# Allegro board pc065a_toplevel_49_modvia.brd
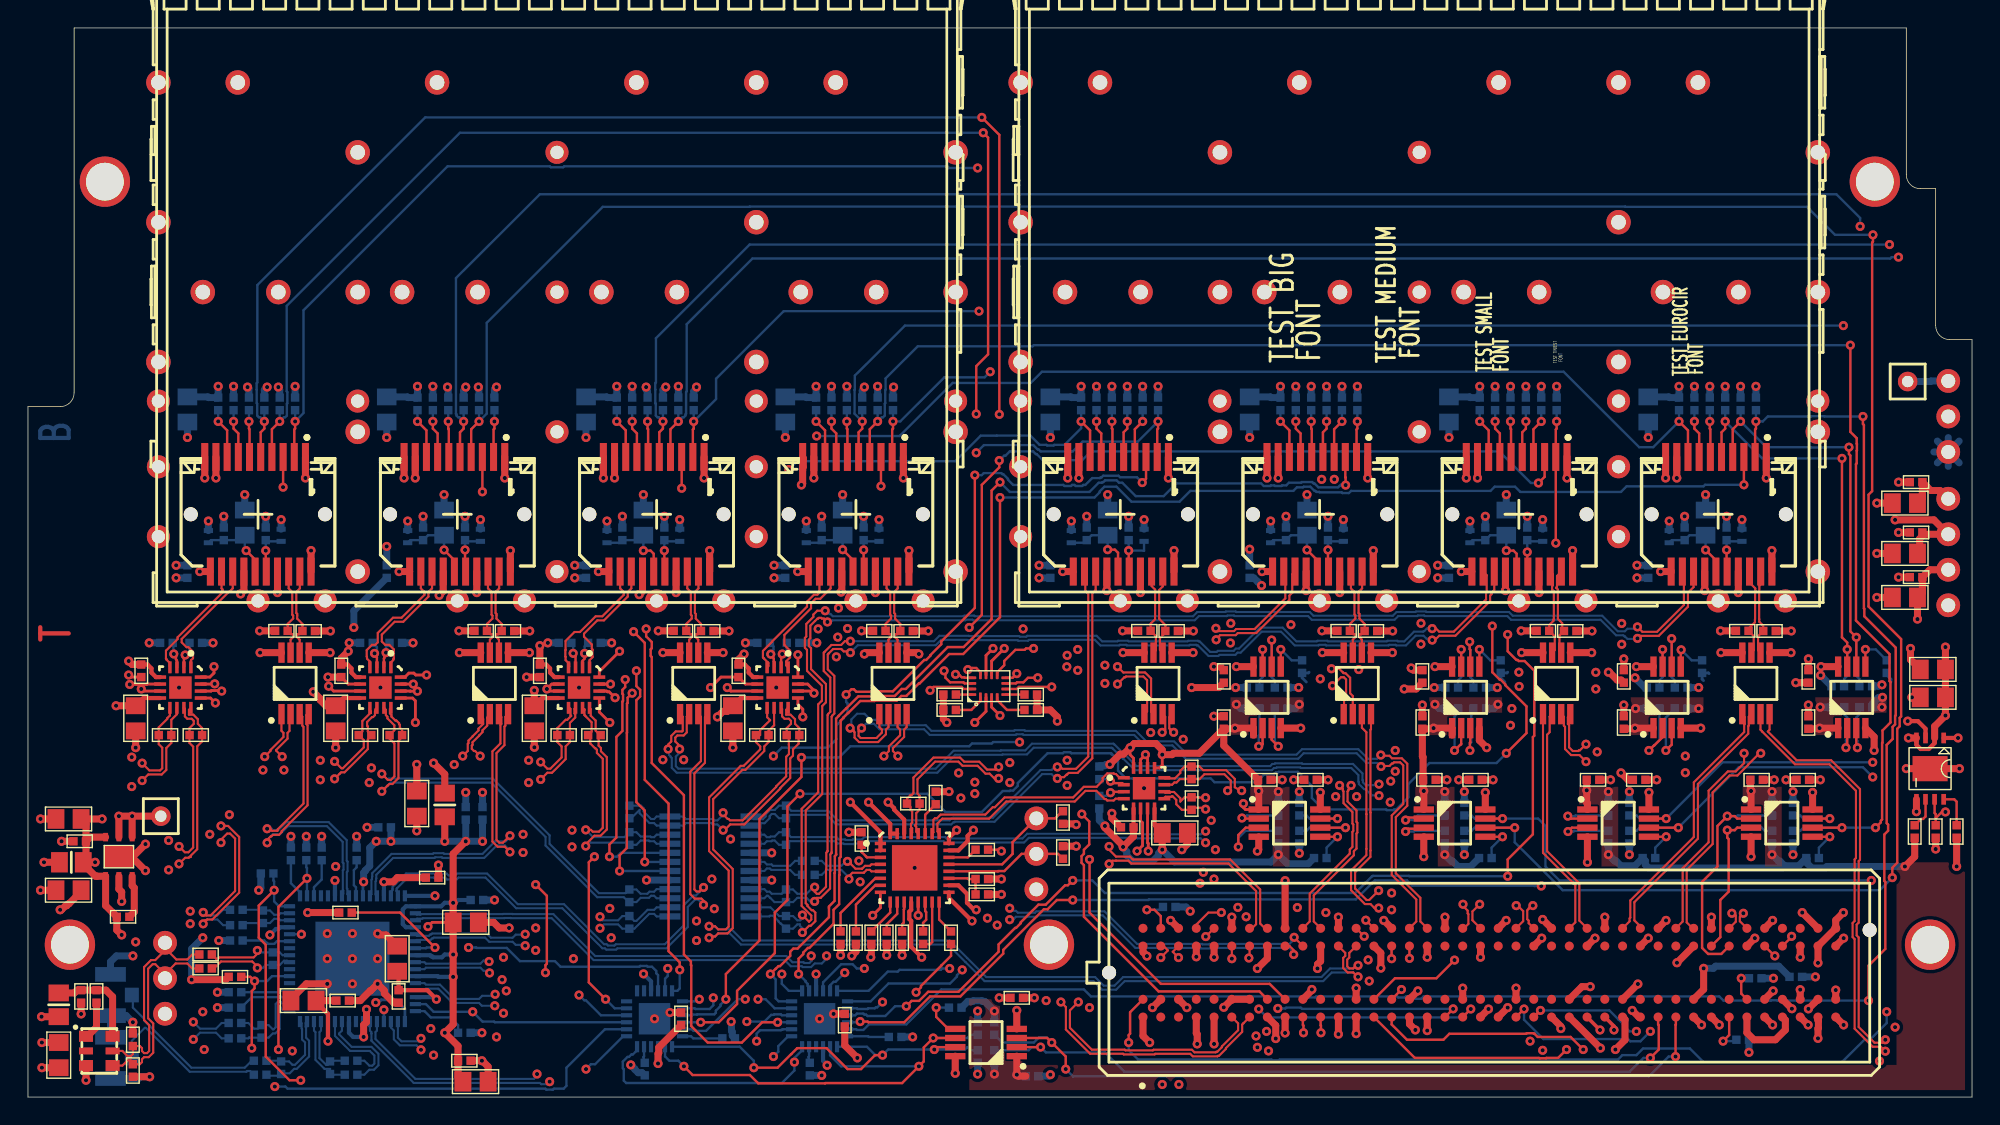
[diagram p0: board, top side]
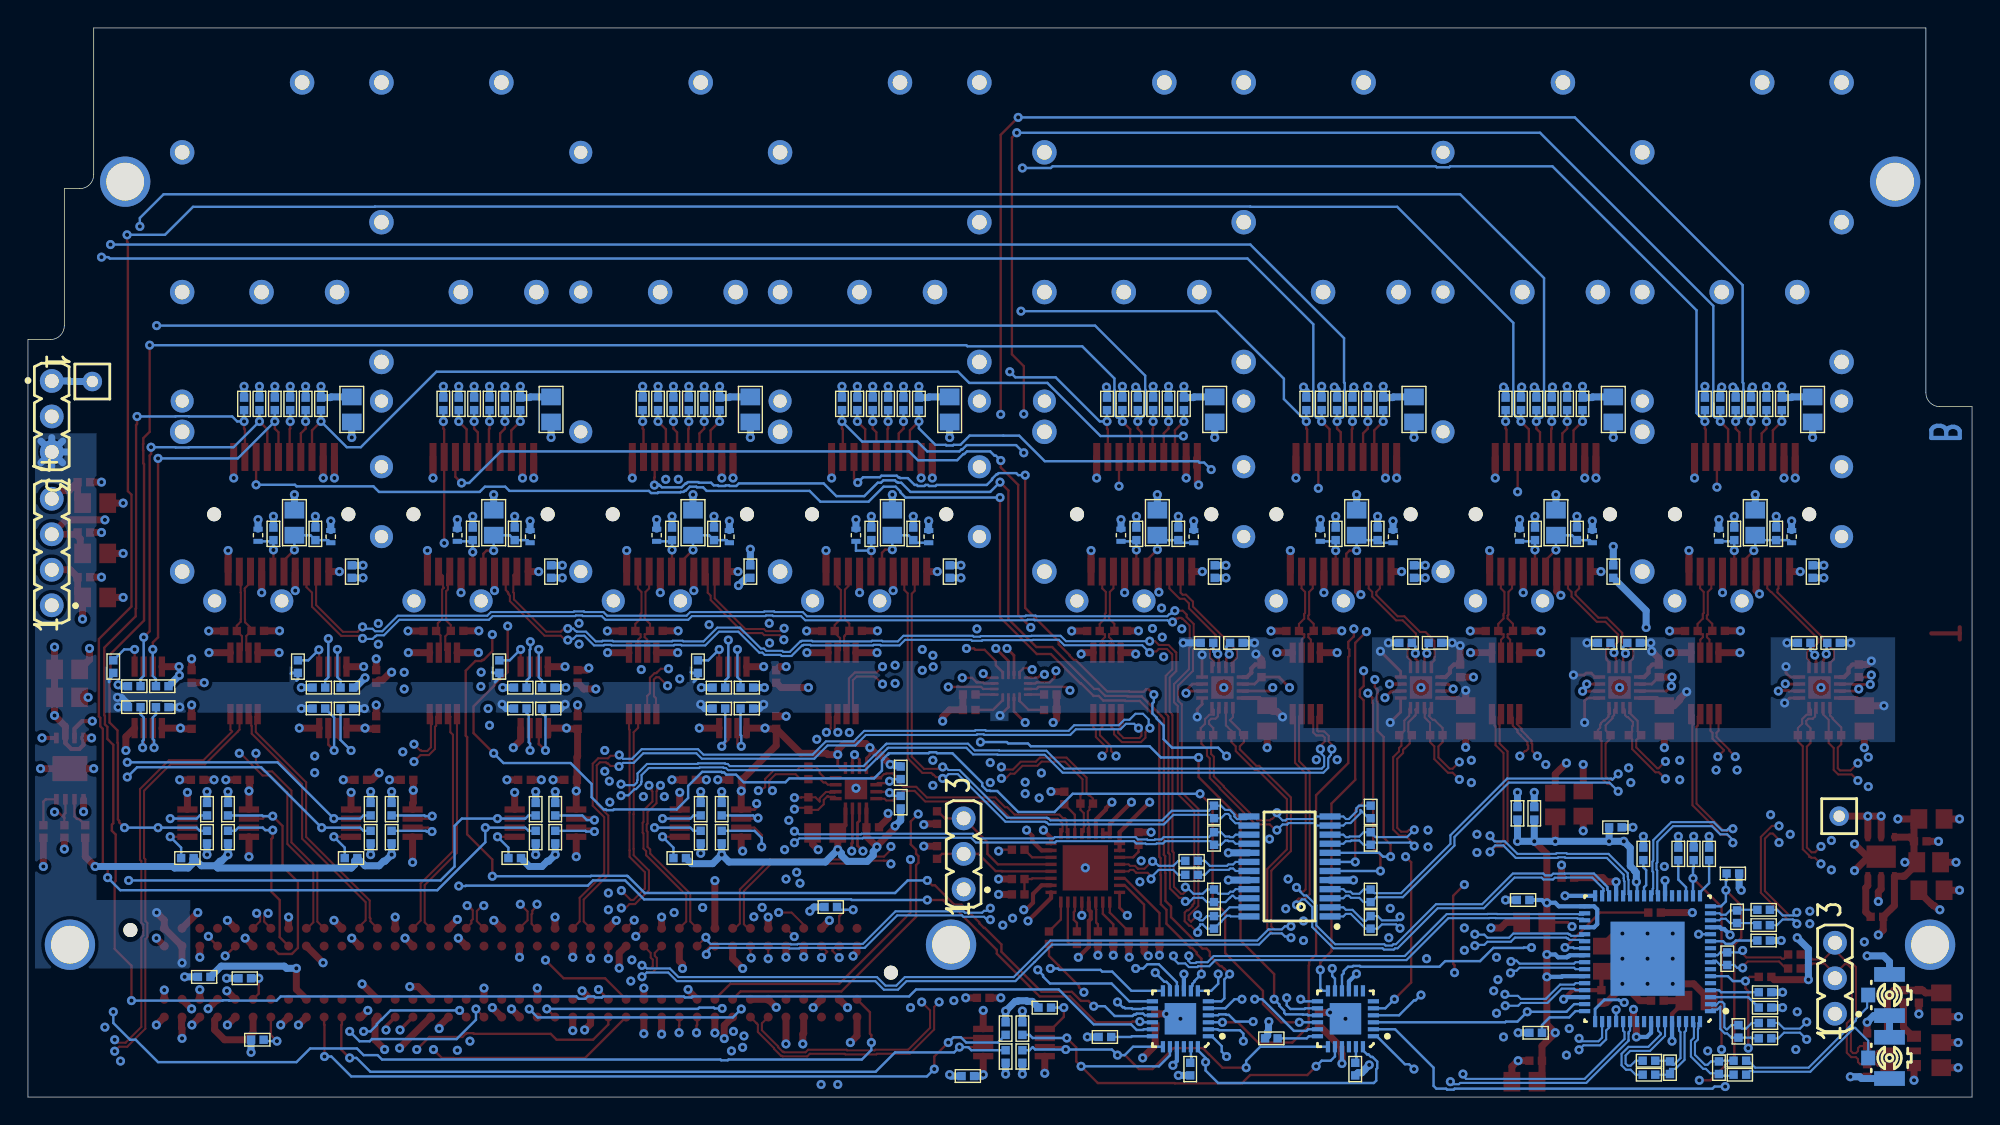
[diagram p1: board, bottom side, seen from below]

Outline 139 x 76.5 mm; copper layers: TOP, L2_GND, L3_SIG, L4_GND, L5_PWR, L6_SIG, L7_PWR, BOTTOM. Coordinates in mm from the lower left corner of the outline.
Outline path: 0,49.4 0,0 139,0 139,54.2 137.4,54.2 arc(136.69,54.49) 136.4,55.2 136.4,65 135.3,65 arc(134.59,65.29) 134.3,66 134.3,76.5 3.3,76.5 3.3,50.4 arc(3.01,49.69) 2.3,49.4 0,49.4

## Design rules (mm)
constraint set DEFAULT: min track width 0.17, pair gap 0.3
net group CDR_CLK: nets CDR_CLK_N CDR_CLK_P
net group CDR_D: nets CDR_D_N CDR_D_P
net group CDR_IN: nets CDR_IN_N CDR_IN_P
net group CLK_IN<0>: nets CLK_IN_N<0> CLK_IN_P<0>
net group CLK_IN<1>: nets CLK_IN_N<1> CLK_IN_P<1>
net group CLK_IN<2>: nets CLK_IN_N<2> CLK_IN_P<2>
net group CLK_IN<3>: nets CLK_IN_N<3> CLK_IN_P<3>
net group CLK_MAIN<0>: nets CLK_MAIN_N<0> CLK_MAIN_P<0>
net group CLK_MAIN<1>: nets CLK_MAIN_N<1> CLK_MAIN_P<1>
net group CLK_MAIN<2>: nets CLK_MAIN_N<2> CLK_MAIN_P<2>
net group CLK_MAIN<3>: nets CLK_MAIN_N<3> CLK_MAIN_P<3>
net group CLK_MAIN<4>: nets CLK_MAIN_N<4> CLK_MAIN_P<4>
net group CLK_MAIN<5>: nets CLK_MAIN_N<5> CLK_MAIN_P<5>
net group CLK_MAIN<6>: nets CLK_MAIN_N<6> CLK_MAIN_P<6>
net group CLK_MAIN<7>: nets CLK_MAIN_N<7> CLK_MAIN_P<7>
net group CLK_MAIN<8>: nets CLK_MAIN_N<8> CLK_MAIN_P<8>
net group CLK_SI<0>: nets CLK_SI_N<0> CLK_SI_P<0>
net group CLK_SI<1>: nets CLK_SI_N<1> CLK_SI_P<1>
net group CLK_SI<2>: nets CLK_SI_N<2> CLK_SI_P<2>
net group CLK_SI<3>: nets CLK_SI_N<3> CLK_SI_P<3>
net group DP0_C2M: nets DP0_C2M_N DP0_C2M_P
net group FMC_LA<2>: nets FMC_LA_N<2> FMC_LA_P<2>
net group FMC_LA<3>: nets FMC_LA_N<3> FMC_LA_P<3>
net group FMC_LA<4>: nets FMC_LA_N<4> FMC_LA_P<4>
net group FMC_LA<7>: nets FMC_LA_N<7> FMC_LA_P<7>
net group FMC_LA<8>: nets FMC_LA_N<8> FMC_LA_P<8>
net group FMC_LA<11>: nets FMC_LA_N<11> FMC_LA_P<11>
net group FMC_LA<15>: nets FMC_LA_N<15> FMC_LA_P<15>
net group FMC_LA<16>: nets FMC_LA_N<16> FMC_LA_P<16>
net group FMC_LA<17>: nets FMC_LA_N<17> FMC_LA_P<17>
net group FMC_LA<19>: nets FMC_LA_N<19> FMC_LA_P<19>
net group FMC_LA<20>: nets FMC_LA_N<20> FMC_LA_P<20>
net group FMC_LA<21>: nets FMC_LA_N<21> FMC_LA_P<21>
net group FMC_LA<22>: nets FMC_LA_N<22> FMC_LA_P<22>
net group FMC_LA<23>: nets FMC_LA_N<23> FMC_LA_P<23>
net group FMC_LA<24>: nets FMC_LA_N<24> FMC_LA_P<24>
net group FMC_LA<25>: nets FMC_LA_N<25> FMC_LA_P<25>
net group FMC_LA<28>: nets FMC_LA_N<28> FMC_LA_P<28>
net group FMC_LA<29>: nets FMC_LA_N<29> FMC_LA_P<29>
net group FMC_LA<30>: nets FMC_LA_N<30> FMC_LA_P<30>
net group FMC_LA<32>: nets FMC_LA_N<32> FMC_LA_P<32>
net group FMC_LA_P: nets FMC_LA_P<26> FMC_LA_P<27>
net group GBTCLK0_M2C: nets GBTCLK0_M2C_N GBTCLK0_M2C_P
net group MUX_OUT: nets MUX_OUT_N MUX_OUT_P
net group OSC: nets OSC_N OSC_P
net group RD_BUF<0>: nets RD_BUF_N<0> RD_BUF_P<0>
net group RD_BUF<1>: nets RD_BUF_N<1> RD_BUF_P<1>
net group RD_BUF<2>: nets RD_BUF_N<2> RD_BUF_P<2>
net group RD_BUF<3>: nets RD_BUF_N<3> RD_BUF_P<3>
net group RD_MUX<0>: nets RD_MUX_N<0> RD_MUX_P<0>
net group RD_MUX<1>: nets RD_MUX_N<1> RD_MUX_P<1>
net group RD_MUX<2>: nets RD_MUX_N<2> RD_MUX_P<2>
net group RD_MUX<3>: nets RD_MUX_N<3> RD_MUX_P<3>
net group RD_MUX<4>: nets RD_MUX_N<4> RD_MUX_P<4>
net group RD_MUX<5>: nets RD_MUX_N<5> RD_MUX_P<5>
net group RD_MUX<6>: nets RD_MUX_N<6> RD_MUX_P<6>
net group RD_MUX<7>: nets RD_MUX_N<7> RD_MUX_P<7>
net group REC_CLK_FPGA: nets REC_CLK_FPGA_N REC_CLK_FPGA_P
net group SFP_TD: nets SFP_TD_N SFP_TD_P
net group SFP_TD_1: nets SFP_TD_N_1 SFP_TD_P_1
net group SFP_TD_2: nets SFP_TD_N_2 SFP_TD_P_2
net group SFP_TD_3: nets SFP_TD_N_3 SFP_TD_P_3
net group SFP_TD_4: nets SFP_TD_N_4 SFP_TD_P_4
net group SFP_TD_5: nets SFP_TD_N_5 SFP_TD_P_5
net group SFP_TD_6: nets SFP_TD_N_6 SFP_TD_P_6
net group SFP_TD_7: nets SFP_TD_N_7 SFP_TD_P_7
net group XCLOCKDP: nets XA XB
net group FMC_LA_N: nets FMC_LA_N<26> FMC_LA_N<27> RST_I2C_B_CVCC
net group MUX_SEL: nets MUX_SEL<0> MUX_SEL<1> MUX_SEL<2>
net group SFP_FAULT: nets SFP_FAULT<0> SFP_FAULT<1> SFP_FAULT<2> SFP_FAULT<3>
net group SFP_I2C_SCL: nets SFP_I2C_SCL<0> SFP_I2C_SCL<1> SFP_I2C_SCL<2> SFP_I2C_SCL<3> SFP_I2C_SCL<4> SFP_I2C_SCL<5> SFP_I2C_SCL<6> SFP_I2C_SCL<7>
net group SFP_I2C_SCL_CVCC: nets FMC_LA_N<5> FMC_LA_N<6> FMC_LA_N<9> FMC_LA_N<10> FMC_LA_N<12> FMC_LA_N<13> FMC_LA_N<14> FMC_LA_N<18> FMC_LA_N<31> FMC_LA_N<33>
net group SFP_I2C_SDA: nets SFP_I2C_SDA<0> SFP_I2C_SDA<1> SFP_I2C_SDA<2> SFP_I2C_SDA<3> SFP_I2C_SDA<4> SFP_I2C_SDA<5> SFP_I2C_SDA<6> SFP_I2C_SDA<7>
net group SFP_I2C_SDA_CVCC: nets FMC_LA_P<1> FMC_LA_P<5> FMC_LA_P<6> FMC_LA_P<9> FMC_LA_P<10> FMC_LA_P<12> FMC_LA_P<13> FMC_LA_P<14> FMC_LA_P<18> FMC_LA_P<31> FMC_LA_P<33>
net group SFP_LOS: nets SFP_LOS<0> SFP_LOS<1> SFP_LOS<2> SFP_LOS<3> SFP_LOS<4> SFP_LOS<5> SFP_LOS<6> SFP_LOS<7>
net group SFP_TX_DISABLE: nets SFP_TX_DISABLE<0> SFP_TX_DISABLE<1> SFP_TX_DISABLE<2> SFP_TX_DISABLE<3> SFP_TX_DISABLE<4> SFP_TX_DISABLE<5> SFP_TX_DISABLE<6> SFP_TX_DISABLE<7>

## Placement (name value [footprint] x y rotation side)
C1  100nF  [C0402]  135 44 0 top
C2  10uF  [C0805]  134.2 42.5 0 top
C3  10uF  [C0805]  27.8 21 90 top
C4  10uF  [C0805]  2.9 14.8 180 top
C5  100nF  [C0402]  3.7 18.3 0 top
C6  10uF  [C0805]  2.2 3 90 top
C7  100nF  [C0402]  28.9 15.7 180 top
C8  22uF  [C0805]  2.9 19.9 0 top
C9  100nF  [C0402]  32.1 14.1 180 bottom
C10  100nF  [C0402]  3.8 7.2 90 top
C11  100nF  [C0402]  31.3 20.3 270 bottom
C12  10uF  [C0805]  31.3 12.5 180 top
C13  100nF  [C0402]  25.5 19.3 0 bottom
C14  100nF  [C0402]  32.5 20.3 270 bottom
C15  100nF  [C0402]  31.2 2.6 180 top
C16  10uF  [C0805]  26.4 9.9 270 top
C17  10uF  [C0805]  32 1.1 180 top
C18  100nF  [C0402]  26.5 7.2 90 top
C19  22uF  [C0805]  19.7 6.9 0 top
C20  100nF  [C0402]  22.5 6.9 180 top
C21  100nF  [C0402]  16.6 1.6 180 bottom
C22  100nF  [C0402]  16.6 2.6 180 bottom
C23  100nF  [C0402]  14.8 4.2 180 bottom
C24  100nF  [C0402]  14.8 5.3 180 bottom
C25  100nF  [C0402]  14.9 12.3 180 bottom
C26  100nF  [C0402]  14.9 13.4 180 bottom
C27  100nF  [C0402]  23.1 2.6 0 bottom
C28  100nF  [C0402]  23.1 1.6 0 bottom
C29  100nF  [C0402]  12.7 9.2 180 top
C30  100nF  [C0402]  12.7 10.2 180 top
C31  100nF  [C0402]  11.4 37.6 270 bottom
C32  10uF  [C0805]  11.4 49.2 90 bottom
C33  100nF  [C0402]  17 40.3 270 bottom
C34  10uF  [C0805]  15.5 41.1 270 bottom
C35  100nF  [C0402]  14 40.3 270 bottom
C36  100nF  [C0402]  135 37.2 0 top
C37  10uF  [C0805]  134.2 35.75 0 top
C38  100nF  [C0402]  135 40.4 0 top
C39  10uF  [C0805]  134.2 38.9 0 top
C40  100nF  [C0402]  25.65 37.6 270 bottom
C41  10uF  [C0805]  25.65 49.2 90 bottom
C42  100nF  [C0402]  31.25 40.3 270 bottom
C43  10uF  [C0805]  29.75 41.1 270 bottom
C44  100nF  [C0402]  28.25 40.3 270 bottom
C45  100nF  [C0402]  39.9 37.6 270 bottom
C46  10uF  [C0805]  39.9 49.2 90 bottom
C47  100nF  [C0402]  45.5 40.3 270 bottom
C48  10uF  [C0805]  44 41.1 270 bottom
C49  100nF  [C0402]  42.5 40.3 270 bottom
C50  100nF  [C0402]  54.15 37.6 270 bottom
C51  10uF  [C0805]  54.15 49.2 90 bottom
C52  100nF  [C0402]  59.75 40.3 270 bottom
C53  10uF  [C0805]  58.25 41.1 270 bottom
C54  100nF  [C0402]  56.75 40.3 270 bottom
C55  1uF  [C0402]  55.8 15.9 0 bottom
C56  1uF  [C0402]  55.8 16.9 0 bottom
C57  100nF  [C0402]  59.6 18.5 90 top
C58  470nF  [C0402]  64 11.4 90 top
C59  100nF  [C0402]  115.85 37.6 270 bottom
C60  10uF  [C0805]  115.85 49.2 90 bottom
C61  100nF  [C0402]  121.45 40.3 270 bottom
C62  10uF  [C0805]  119.95 41.1 270 bottom
C63  100nF  [C0402]  118.45 40.3 270 bottom
C64  100nF  [C0402]  101.6 37.6 270 bottom
C65  10uF  [C0805]  101.6 49.2 90 bottom
C66  100nF  [C0402]  107.2 40.3 270 bottom
C67  10uF  [C0805]  105.7 41.1 270 bottom
C68  100nF  [C0402]  104.2 40.3 270 bottom
C69  100nF  [C0402]  87.35 37.6 270 bottom
C70  10uF  [C0805]  87.35 49.2 90 bottom
C71  100nF  [C0402]  92.95 40.3 270 bottom
C72  10uF  [C0805]  91.45 41.1 270 bottom
C73  100nF  [C0402]  89.95 40.3 270 bottom
C74  100nF  [C0402]  73.1 37.6 270 bottom
C75  10uF  [C0805]  73.1 49.2 90 bottom
C76  100nF  [C0402]  78.7 40.3 270 bottom
C77  10uF  [C0805]  77.2 41.1 270 bottom
C78  100nF  [C0402]  75.7 40.3 270 bottom
C79  100nF  [C0402]  71.8 1.5 180 bottom
C80  100nF  [C0402]  70.7 7.1 180 top
C81  100nF  [C0402]  88.4 22.7 180 top
C82  100nF  [C0402]  91.7 22.7 180 top
C83  100nF  [C0402]  100.2 22.7 180 top
C84  100nF  [C0402]  103.5 22.7 180 top
C85  100nF  [C0402]  111.9 22.7 180 top
C86  100nF  [C0402]  115.2 22.7 180 top
C87  100nF  [C0402]  123.6 22.7 180 top
C88  100nF  [C0402]  126.9 22.7 180 top
C89  100nF  [C0402]  85.5 26.8 270 top
C90  100nF  [C0402]  85.5 30.1 270 top
C91  100nF  [C0402]  99.7 26.8 270 top
C92  100nF  [C0402]  99.7 30.1 270 top
C93  100nF  [C0402]  114.1 26.8 270 top
C94  100nF  [C0402]  114.1 30.1 270 top
C95  100nF  [C0402]  127.3 26.8 270 top
C96  100nF  [C0402]  127.3 30.1 270 top
C97  100nF  [C0402]  58.4 5.5 270 top
C98  100nF  [C0402]  46.7 5.6 270 top
C99  10uF  [C0805]  136.2 28.6 0 top
C100  10uF  [C0805]  136.2 30.6 0 top
C101  100nF  [C0402]  137.9 19 90 top
C102  100nF  [C0402]  8.1 30.5 90 top
C103  10uF  [C0805]  7.7 27.1 90 top
C104  100nF  [C0402]  22.4 30.5 90 top
C105  10uF  [C0805]  22 27.1 90 top
C106  100nF  [C0402]  36.6 30.5 90 top
C107  10uF  [C0805]  36.2 27.1 90 top
C108  100nF  [C0402]  50.8 30.5 90 top
C109  10uF  [C0805]  50.4 27.1 90 top
C110  100nF  [C0402]  78.6 19.3 0 top
C111  10uF  [C0805]  82 18.9 180 top
IC3  -  [QFN50P900X900X90-65N-S530]  23.2 9.9 0 bottom
IC4  -  [QFN50P300X300X90-17N-S160]  10.9 29.3 270 top
IC5  -  [QFN50P300X300X90-17N-S160]  25.2 29.3 270 top
IC6  -  [QFN50P300X300X90-17N-S160]  39.4 29.3 270 top
IC7  -  [QFN50P300X300X90-17N-S160]  53.6 29.3 270 top
IC8  -  [SOP65P640X120-24N]  48.8 16.5 0 bottom
IC9  -  [QFN50P500X500X100-33N-S325]  63.4 16.4 0 top
IC10  -  [QFN50P400X400X80-25N-S225]  56.6 5.6 0 bottom
IC11  -  [SOP65P490X110-8N]  68.5 3.9 180 top
IC12  -  [SOP65P490X110-8N]  90.2 19.6 0 top
IC13  -  [QFN50P300X300X90-17N-S160]  79.8 22.1 0 top
IC14  -  [SOP65P490X110-8N]  102 19.6 0 top
IC15  -  [SOP65P490X110-8N]  113.7 19.6 0 top
IC16  -  [SOP65P490X110-8N]  125.4 19.6 0 top
IC17  -  [SOP65P490X110-8N]  88.6 28.6 90 top
IC18  -  [SOP65P490X110-8N]  102.8 28.6 90 top
IC19  -  [SOP65P490X110-8N]  117.2 28.6 90 top
IC20  -  [SOP65P490X110-8N]  130.4 28.6 90 top
IC21  -  [UQFN_16PIN]  68.7 29.4 90 top
IC23  -  [QFN50P400X400X80-25N-S225]  44.8 5.6 0 bottom
J1  -  [SAMTEC_MTLW-103-07-L-S-250]  72.1 17.4 90 bottom
J5  -  [SAMTEC_MTLW-103-07-L-S-250]  9.8 8.5 90 bottom
J7  -  [TYCO_1888247-1]  16.44 41.7 270 top
J10  -  [SAMTEC_ASP-134606-01]  104.49 8.9 180 top
J12  -  [TYCO_1888247-1]  30.69 41.7 270 top
J16  -  [TYCO_1888247-1]  44.94 41.7 270 top
J20  -  [TYCO_1888247-1]  59.19 41.7 270 top
J24  -  [TYCO_1888247-1]  120.89 41.7 270 top
J28  -  [TYCO_1888247-1]  106.64 41.7 270 top
J32  -  [TYCO_1888247-1]  92.39 41.7 270 top
J36  -  [TYCO_1888247-1]  78.14 41.7 270 top
J39  -  [SAMTEC_MTLW-103-07-L-S-250]  137.3 48.7 270 bottom
J40  -  [SAMTEC_MTLW-104-07-L-S-250]  137.3 39 90 bottom
L1  0.10uH  [INDC2012X105N]  3.1 16.8 0 top
L2  0.10uH  [INDC2012X105N]  29.8 20.9 270 top
L3  0.10uH  [INDC2012X105N]  2.2 6.6 90 top
L4  4.7nH  [INDC_0402HP]  18.1 40.2 270 bottom
L5  4.7nH  [INDC_0402HP]  12.9 40.1 90 bottom
L6  4.7nH  [INDC_0402HP]  32.35 40.2 270 bottom
L7  4.7nH  [INDC_0402HP]  27.15 40.1 90 bottom
L8  4.7nH  [INDC_0402HP]  46.6 40.2 270 bottom
L9  4.7nH  [INDC_0402HP]  41.4 40.1 90 bottom
L10  4.7nH  [INDC_0402HP]  60.85 40.2 270 bottom
L11  4.7nH  [INDC_0402HP]  55.65 40.1 90 bottom
L12  4.7nH  [INDC_0402HP]  122.55 40.2 270 bottom
L13  4.7nH  [INDC_0402HP]  117.35 40.1 90 bottom
L14  4.7nH  [INDC_0402HP]  108.3 40.2 270 bottom
L15  4.7nH  [INDC_0402HP]  103.1 40.1 90 bottom
L16  4.7nH  [INDC_0402HP]  94.05 40.2 270 bottom
L17  4.7nH  [INDC_0402HP]  88.85 40.1 90 bottom
L18  4.7nH  [INDC_0402HP]  79.8 40.2 270 bottom
L19  4.7nH  [INDC_0402HP]  74.6 40.1 90 bottom
NOREF  -  [unnamed]  136 10.9 0 top
NOREF#2  -  [unnamed]  73 10.9 0 top
NOREF#3  -  [unnamed]  5.5 65.5 0 top
NOREF#4  -  [unnamed]  3 10.9 0 top
NOREF#5  -  [unnamed]  132.05 65.5 0 top
PX1  -  [HIROSE_U-FL-R-SMT-1_10]  5.9 2.8 90 bottom
PX2  -  [HIROSE_U-FL-R-SMT-1_10]  5.9 7.3 90 bottom
QZ1  40.00MHz  [OSCSC105P250X320X180-6N]  5.1 3.3 0 top
R2  4.7k  [C0402]  6.8 12.9 0 top
R3  4.7k  [C0402]  4.9 7.2 270 top
R4  XX  [C0402]  7.5 4.1 270 top
R5  XX  [C0402]  7.5 1.9 90 top
R6  4.7k  [C0402]  22.7 13.2 0 top
R7  XX  [C0402]  17.1 16 0 bottom
R8  XX  [C0402]  19.9 17.4 270 bottom
R9  4.7k  [C0402]  14.8 8.6 0 top
R10  4.7k  [C0402]  14.9 11.2 0 bottom
R11  4.7k  [C0402]  18.8 17.4 270 bottom
R12  4.7k  [C0402]  21 17.4 270 bottom
R13  100  [C0402]  18.1 2.1 90 bottom
R14  100  [C0402]  16.7 4.7 90 bottom
R15  100  [C0402]  16.8 12.9 90 bottom
R16  100  [C0402]  21.6 2.1 270 bottom
R17  100  [C0402]  17.5 9.9 90 bottom
R18  XX  [C0402]  31.2 4.6 180 bottom
R19  XX  [C0402]  23.5 17.4 270 bottom
R20  4.7k  [C0402]  14.8 6.4 0 bottom
R21  4.7k  [C0402]  14.8 7.5 0 bottom
R22  51  [C0402]  18.12 33.36 180 top
R23  51  [C0402]  20.07 33.35 0 top
R24  4.7k  [C0402]  19.1 49.6 270 bottom
R25  4.7k  [C0402]  13.6 49.6 270 bottom
R26  4.7k  [C0402]  15.8 49.6 90 bottom
R27  4.7k  [C0402]  16.9 49.6 90 bottom
R28  4.7k  [C0402]  18 49.6 90 bottom
R29  4.7k  [C0402]  14.7 49.6 90 bottom
R30  0R0  [C0402]  81.6 13.6 180 bottom
R31  0R0  [C0402]  62 4.3 180 bottom
R32  0R0  [C0402]  55.9 2 90 bottom
R33  XX  [C0402]  126.4 8.6 0 bottom
R34  51  [C0402]  32.37 33.36 180 top
R35  51  [C0402]  34.32 33.35 0 top
R36  4.7k  [C0402]  33.35 49.6 270 bottom
R37  4.7k  [C0402]  27.85 49.6 270 bottom
R38  4.7k  [C0402]  30.05 49.6 90 bottom
R39  4.7k  [C0402]  31.15 49.6 90 bottom
R40  4.7k  [C0402]  32.25 49.6 90 bottom
R41  4.7k  [C0402]  28.95 49.6 90 bottom
R42  51  [C0402]  46.62 33.36 180 top
R43  51  [C0402]  48.57 33.35 0 top
R44  4.7k  [C0402]  47.6 49.6 270 bottom
R45  4.7k  [C0402]  42.1 49.6 270 bottom
R46  4.7k  [C0402]  44.3 49.6 90 bottom
R47  4.7k  [C0402]  45.4 49.6 90 bottom
R48  4.7k  [C0402]  46.5 49.6 90 bottom
R49  4.7k  [C0402]  43.2 49.6 90 bottom
R50  51  [C0402]  60.87 33.36 180 top
R51  51  [C0402]  62.82 33.35 0 top
R52  4.7k  [C0402]  61.85 49.6 270 bottom
R53  4.7k  [C0402]  56.35 49.6 270 bottom
R54  4.7k  [C0402]  58.55 49.6 90 bottom
R55  4.7k  [C0402]  59.65 49.6 90 bottom
R56  4.7k  [C0402]  60.75 49.6 90 bottom
R57  4.7k  [C0402]  57.45 49.6 90 bottom
R58  XX  [C0402]  12 32.5 180 bottom
R59  XX  [C0402]  9.9 32.5 0 bottom
R60  100  [C0402]  12 25.9 0 top
R61  100  [C0402]  9.8 25.9 0 top
R62  XX  [C0402]  26.3 32.5 180 bottom
R63  XX  [C0402]  24.2 32.5 0 bottom
R64  100  [C0402]  26.3 25.9 0 top
R65  100  [C0402]  24.1 25.9 0 top
R66  XX  [C0402]  40.5 32.5 180 bottom
R67  XX  [C0402]  38.4 32.5 0 bottom
R68  100  [C0402]  40.5 25.9 0 top
R69  100  [C0402]  38.3 25.9 0 top
R70  XX  [C0402]  54.7 32.5 180 bottom
R71  XX  [C0402]  52.6 32.5 0 bottom
R72  100  [C0402]  54.7 25.9 0 top
R73  100  [C0402]  52.5 25.9 0 top
R74  100  [C0402]  43 12.5 90 bottom
R75  100  [C0402]  43 14.4 90 bottom
R76  100  [C0402]  43 18.5 90 bottom
R77  100  [C0402]  43 20.4 90 bottom
R78  100  [C0402]  54.2 20.4 90 bottom
R79  100  [C0402]  54.2 18.5 90 bottom
R80  100  [C0402]  54.2 14.4 90 bottom
R81  100  [C0402]  54.2 12.5 90 bottom
R82  0R0  [C0402]  68.2 15.6 180 top
R83  XX  [C0402]  68.2 14.5 180 top
R84  0R0  [C0402]  61.4 11.4 90 top
R85  0R0  [C0402]  62.5 11.4 90 top
R86  0R0  [C0402]  58.1 11.4 90 top
R87  0R0  [C0402]  59.2 11.4 90 top
R88  0R0  [C0402]  60.3 11.4 90 top
R89  XX  [C0402]  68.2 17.7 180 top
R90  0R0  [C0402]  64.9 21.4 90 top
R91  0R0  [C0402]  66 11.4 270 top
R92  XX  [C0402]  63.3 21 0 top
R93  XX  [C0402]  74 20 270 top
R94  XX  [C0402]  74 17.5 90 top
R95  XX  [C0402]  76.6 23.2 270 bottom
R96  XX  [C0402]  76.6 21.1 90 bottom
R97  100  [C0402]  83.2 23.2 90 top
R98  100  [C0402]  83.2 21 90 top
R99  51  [C0402]  122.57 33.36 180 top
R100  51  [C0402]  124.52 33.35 0 top
R101  4.7k  [C0402]  123.55 49.6 270 bottom
R102  4.7k  [C0402]  118.05 49.6 270 bottom
R103  4.7k  [C0402]  120.25 49.6 90 bottom
R104  4.7k  [C0402]  121.35 49.6 90 bottom
R105  4.7k  [C0402]  122.45 49.6 90 bottom
R106  4.7k  [C0402]  119.15 49.6 90 bottom
R107  51  [C0402]  108.32 33.36 180 top
R108  51  [C0402]  110.27 33.35 0 top
R109  4.7k  [C0402]  109.3 49.6 270 bottom
R110  4.7k  [C0402]  103.8 49.6 270 bottom
R111  4.7k  [C0402]  106 49.6 90 bottom
R112  4.7k  [C0402]  107.1 49.6 90 bottom
R113  4.7k  [C0402]  108.2 49.6 90 bottom
R114  4.7k  [C0402]  104.9 49.6 90 bottom
R115  51  [C0402]  94.07 33.36 180 top
R116  51  [C0402]  96.02 33.35 0 top
R117  4.7k  [C0402]  95.05 49.6 270 bottom
R118  4.7k  [C0402]  89.55 49.6 270 bottom
R119  4.7k  [C0402]  91.75 49.6 90 bottom
R120  4.7k  [C0402]  92.85 49.6 90 bottom
R121  4.7k  [C0402]  93.95 49.6 90 bottom
R122  4.7k  [C0402]  90.65 49.6 90 bottom
R123  51  [C0402]  79.82 33.36 180 top
R124  51  [C0402]  81.77 33.35 0 top
R125  4.7k  [C0402]  80.8 49.6 270 bottom
R126  4.7k  [C0402]  75.3 49.6 270 bottom
R127  4.7k  [C0402]  77.5 49.6 90 bottom
R128  4.7k  [C0402]  78.6 49.6 90 bottom
R129  4.7k  [C0402]  79.7 49.6 90 bottom
R130  4.7k  [C0402]  76.4 49.6 90 bottom
R131  4.7k  [C0402]  69.1 4.9 90 bottom
R132  4.7k  [C0402]  69.1 2.9 270 bottom
R133  0R0  [C0402]  66.3 6.4 180 bottom
R134  4.7k  [C0402]  67.9 4.9 90 bottom
R135  4.7k  [C0402]  67.9 2.9 270 bottom
R136  4.7k  [C0402]  89.4 18.6 270 bottom
R137  4.7k  [C0402]  89.4 20.6 90 bottom
R138  0R0  [C0402]  92.4 17.1 0 bottom
R139  4.7k  [C0402]  90.9 18.6 270 bottom
R140  4.7k  [C0402]  90.9 20.6 90 bottom
R141  4.7k  [C0402]  101.3 18.6 270 bottom
R142  4.7k  [C0402]  101.3 20.6 90 bottom
R143  0R0  [C0402]  104.2 17.1 0 bottom
R144  4.7k  [C0402]  102.7 18.6 270 bottom
R145  4.7k  [C0402]  102.7 20.6 90 bottom
R146  4.7k  [C0402]  113 18.6 270 bottom
R147  4.7k  [C0402]  113 20.6 90 bottom
R148  0R0  [C0402]  115.9 17.1 0 bottom
R149  4.7k  [C0402]  114.5 18.6 270 bottom
R150  4.7k  [C0402]  114.5 20.6 90 bottom
R151  4.7k  [C0402]  124.7 18.6 270 bottom
R152  4.7k  [C0402]  124.7 20.6 90 bottom
R153  0R0  [C0402]  127.6 17.1 0 bottom
R154  4.7k  [C0402]  126.2 18.6 270 bottom
R155  4.7k  [C0402]  126.2 20.6 90 bottom
R156  4.7k  [C0402]  89.6 27.8 0 bottom
R157  4.7k  [C0402]  87.6 27.8 180 bottom
R158  0R0  [C0402]  91.1 30.8 90 bottom
R159  4.7k  [C0402]  89.6 29.3 0 bottom
R160  4.7k  [C0402]  87.6 29.3 180 bottom
R161  4.7k  [C0402]  103.8 27.8 0 bottom
R162  4.7k  [C0402]  101.8 27.8 180 bottom
R163  0R0  [C0402]  105.3 30.8 90 bottom
R164  4.7k  [C0402]  103.8 29.3 0 bottom
R165  4.7k  [C0402]  101.8 29.3 180 bottom
R166  4.7k  [C0402]  118.2 27.8 0 bottom
R167  4.7k  [C0402]  116.2 27.8 180 bottom
R168  0R0  [C0402]  119.7 30.8 90 bottom
R169  4.7k  [C0402]  118.2 29.3 0 bottom
R170  4.7k  [C0402]  116.2 29.3 180 bottom
R171  4.7k  [C0402]  131.4 27.9 0 bottom
R172  4.7k  [C0402]  129.4 27.9 180 bottom
R173  0R0  [C0402]  132.9 30.8 90 bottom
R174  4.7k  [C0402]  131.4 29.4 0 bottom
R175  4.7k  [C0402]  129.4 29.4 180 bottom
R176  0R0  [C0402]  71.7 27.7 0 top
R177  0R0  [C0402]  65.9 27.7 0 top
R178  0R0  [C0402]  71.7 28.8 0 top
R179  0R0  [C0402]  65.9 28.8 0 top
R180  0R0  [C0402]  50.1 4.2 180 bottom
R181  0R0  [C0402]  44.1 2 90 bottom
R182  100k  [C0402]  136.4 19 90 top
R183  0R0  [C0402]  134.9 19 90 top
R184  0R0  [C0402]  122.6 4.1 180 bottom
R185  0R0  [C0402]  123.5 8.5 180 bottom
SFP1  -  [TYCO_2007132]  59.2 41.7 270 top
SFP2  -  [TYCO_2007132]  120.85 41.7 270 top
TP1  -  [TP_HOLE_08]  9.5 20.1 180 bottom
TP10  -  [TP_HOLE_08]  134.4 51.2 180 bottom
U2  -  [WSON6]  6.5 17.2 90 top
U3  -  [SOP65P490X110-8N]  19.1 29.6 90 top
U4  -  [SOP65P490X110-8N]  33.35 29.6 90 top
U5  -  [SOP65P490X110-8N]  47.6 29.6 90 top
U6  -  [SOP65P490X110-8N]  61.85 29.6 90 top
U7  -  [SOP65P490X110-8N]  123.55 29.6 90 top
U8  -  [SOP65P490X110-8N]  109.3 29.6 90 top
U9  -  [SOP65P490X110-8N]  95.05 29.6 90 top
U10  -  [SOP65P490X110-8N]  80.8 29.6 90 top
U11  -  [MSOP-THERM]  136 23.5 270 top
